# Allegro board buddy_lay_rev1.brd (continued)
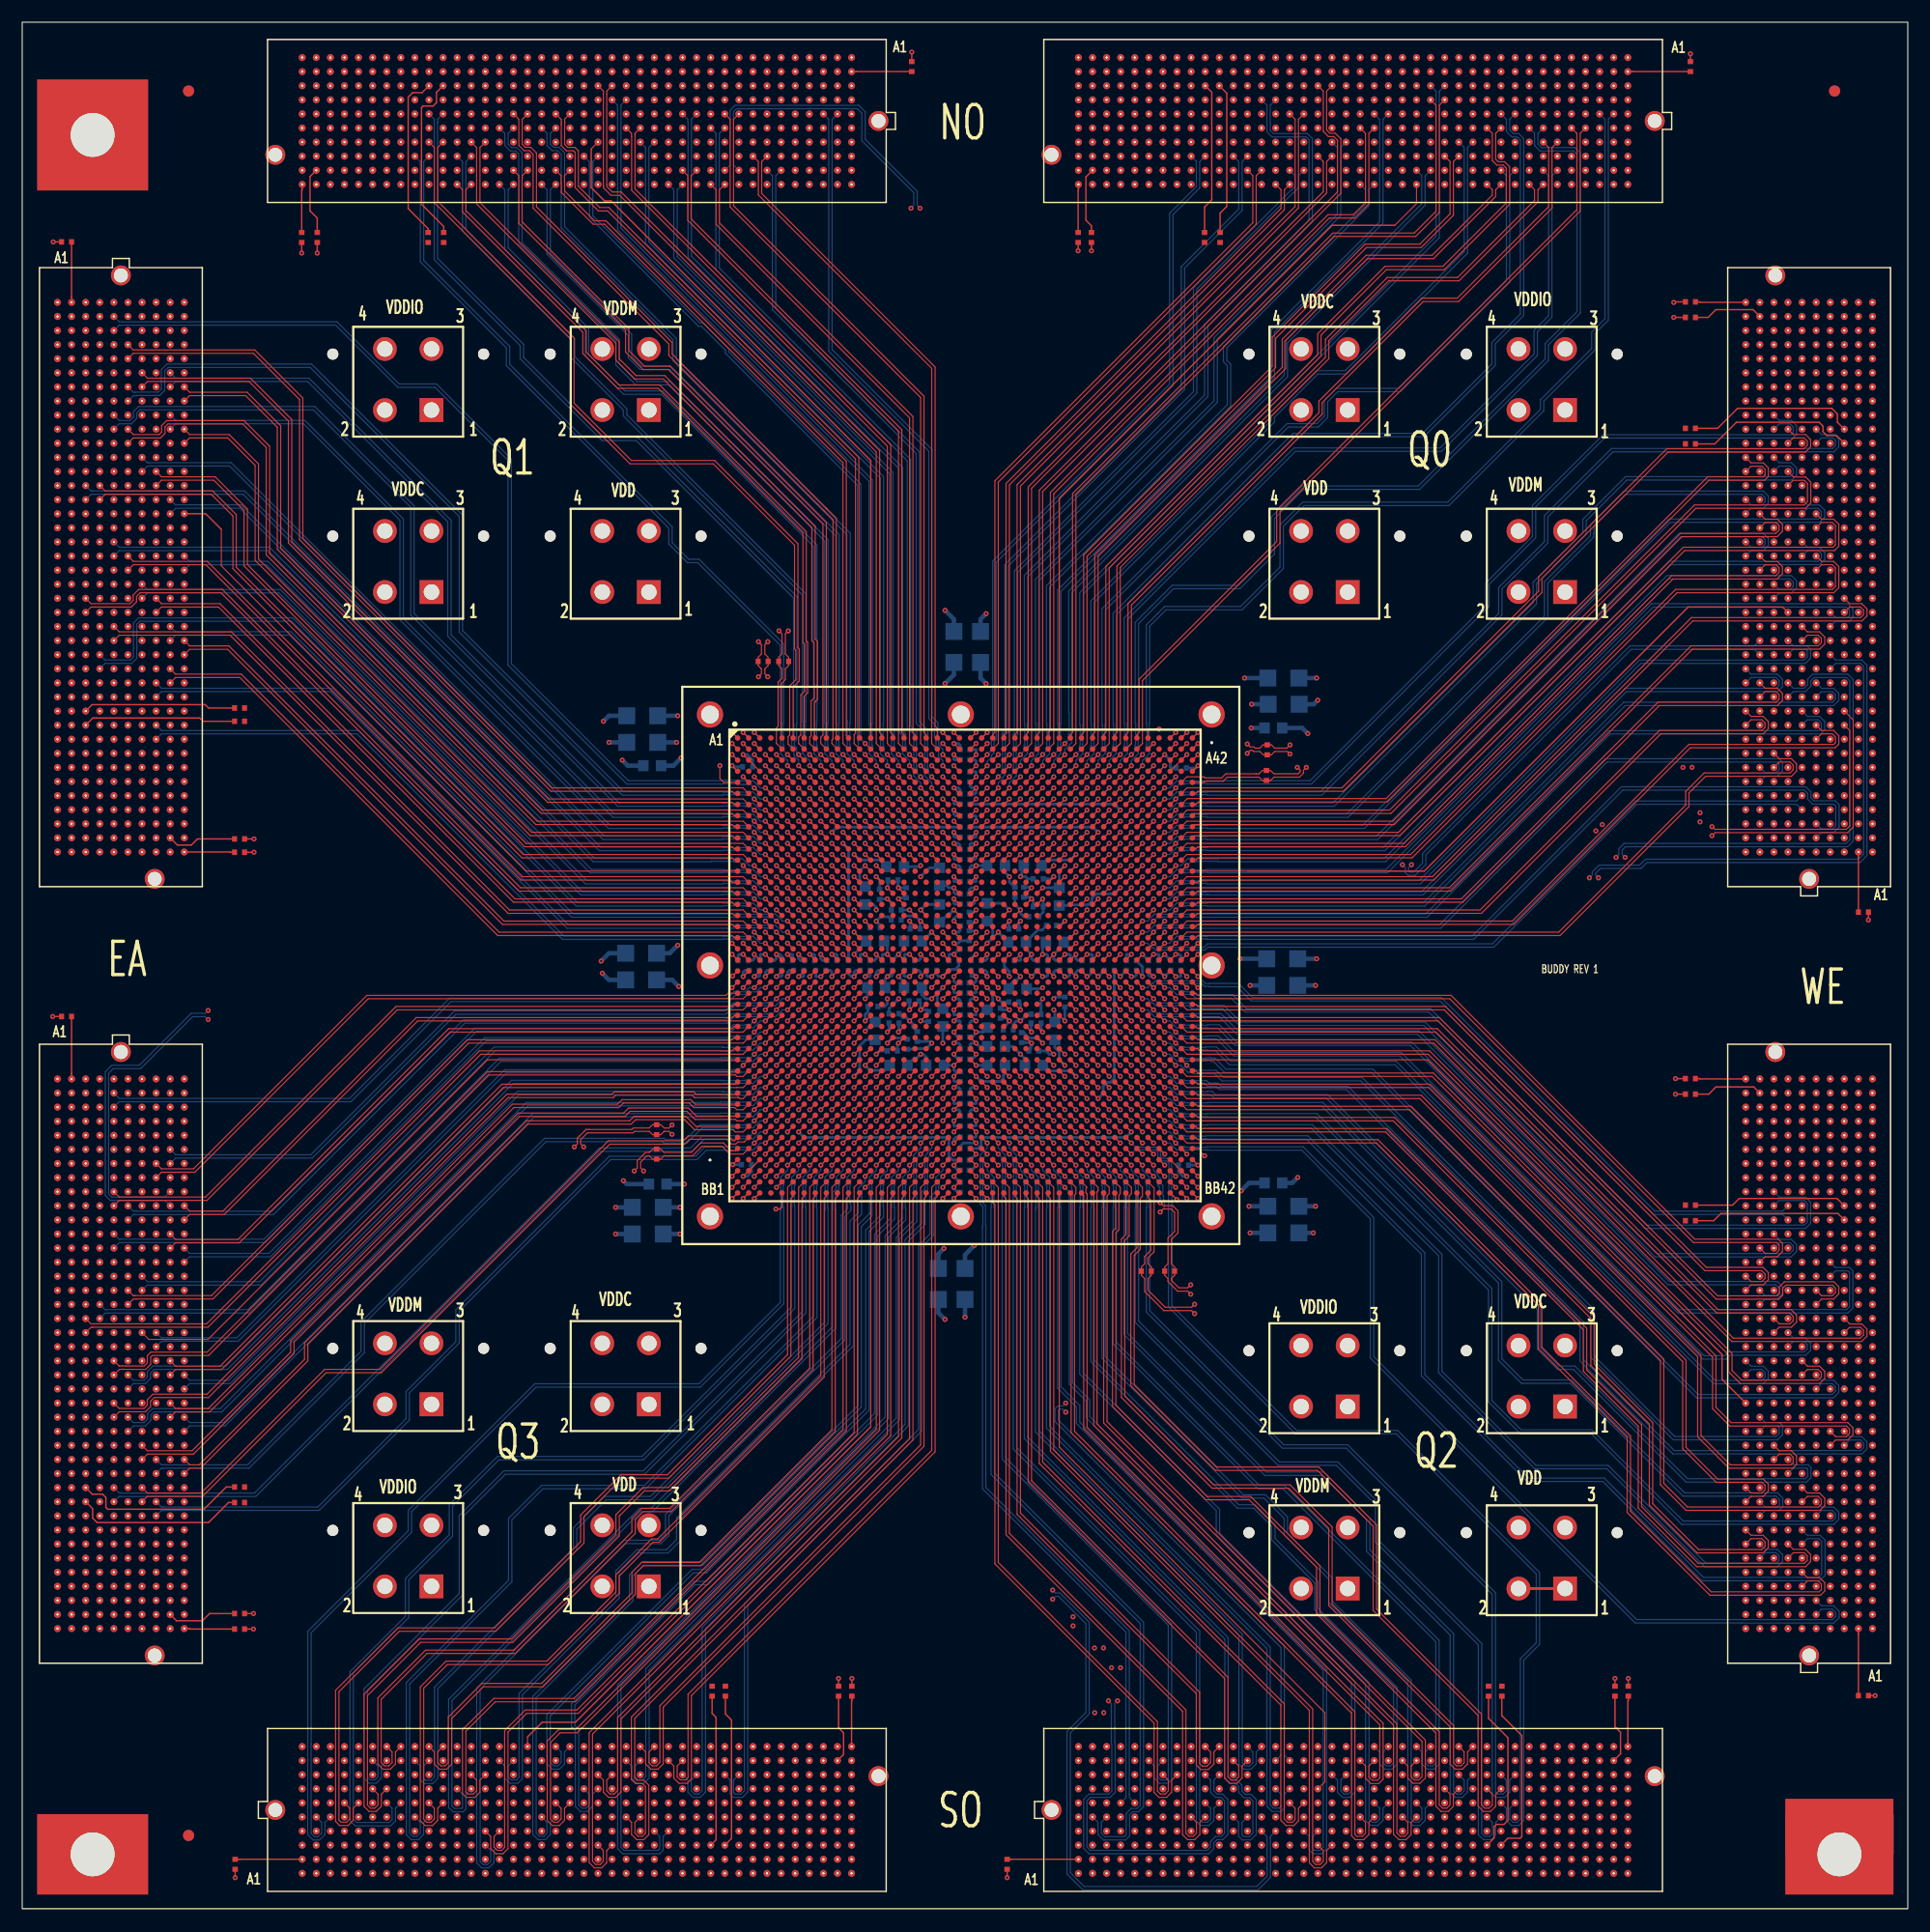
[diagram p0: board, top side]
## Routing (per net, layer and track width the routed paths; a pad name or vN(x,y) marks a point on that pad's centre or on a via; arc(x,y) is an arc through that point) (continued)
J2.G38 97.77,159.67 ; J4.J1 157.13,25.24 ; J4.J1 156.18,25.24 ; J4.J1 156.66,24.77 ; J4.J1 156.66,25.72 ; J1.F6 68.42,160.94 ; J1.F6 67.95,160.47 ; J1.F6 68.9,160.47 ; J1.F6 68.42,159.99 ; J3.C25 164.75,125.71 ; J3.C25 164.28,126.18 ; J3.C25 163.8,125.71 ; J3.C25 164.28,125.23 ; J4.A25 167.29,55.72 ; J4.A25 166.81,56.2 ; J4.A25 166.34,55.72 ; J4.A25 166.81,55.25 ; 67.15,3.98 67.15,4.46 ; 67.15,4.46 67.15,4.93 ; 67.15,4.46 66.68,4.46 ; 67.15,4.46 67.63,4.46 ; J1.D22 48.58,163 ; J1.D22 48.1,162.53 ; J1.D22 48.1,163.48 ; J1.D22 47.63,163 ; 140.95,7 140.95,7.47 ; 140.95,7 141.42,7 ; 140.95,7 140.47,7 ; 140.95,7 140.95,6.52 ; 5.25,34.13 J7.C33 ; J7.C33 5.72,33.66 ; J7.C33 5.72,34.61 ; J7.C33 6.2,34.13 ; J6.E26 57.47,8.27 ; J6.E26 56.99,8.74 ; J6.E26 56.99,7.79 ; J6.E26 56.52,8.27 ; J3.K33 155.38,136.34 ; J3.K33 155.38,135.39 ; J3.K33 155.86,135.87 ; J3.K33 154.91,135.87 ; J1.G8 65.88,159.67 ; J1.G8 65.41,159.19 ; J1.G8 66.36,159.19 ; J1.G8 65.88,158.72 ; 63.34,162.53 J1.D10 ; J1.D10 63.82,163 ; J1.D10 63.34,163.48 ; J1.D10 62.87,163 ; 31.12,161.74 31.59,161.74 ; 31.59,161.74 32.07,161.74 ; 31.59,161.74 31.59,161.26 ; 31.59,161.74 31.59,162.21 ; 94.75,161.74 95.23,161.74 ; 95.23,161.74 95.23,162.21 ; 95.23,161.74 95.7,161.74 ; 95.23,161.74 95.23,161.26 ; J2.A5 139.68,167.29 ; J2.A5 139.68,166.34 ; J2.A5 139.2,166.81 ; J2.A5 140.15,166.81 ; 43.82,166.81 J1.A25 ; J1.A25 44.29,167.29 ; J1.A25 44.29,166.34 ; J1.A25 44.77,166.81 ; 73.03,157.93 J1.H2 ; J1.H2 73.98,157.93 ; J1.H2 73.5,158.4 ; J1.H2 73.5,157.45 ; 62.07,161.74 62.07,162.21 ; 62.07,161.74 62.07,161.26 ; 62.07,161.74 61.6,161.74 ; 62.07,161.74 62.55,161.74 ; J8.E38 8.27,98.24 ; J8.E38 8.74,97.77 ; J8.E38 8.27,97.29 ; J8.E38 7.79,97.77 ; 3.19,60.8 3.19,61.28 ; 3.19,60.8 3.19,60.33 ; 3.19,60.8 3.66,60.8 ; 3.19,60.8 2.71,60.8 ; J2.A12 131.26,166.81 ; J2.A12 130.79,166.34 ; J2.A12 130.79,167.29 ; J2.A12 130.31,166.81 ; 115.55,154.91 J2.K24 ; J2.K24 116.02,155.38 ; J2.K24 115.07,155.38 ; J2.K24 115.55,155.86 ; 14.14,41.75 J7.K27 ; J7.K27 14.62,42.23 ; J7.K27 15.09,41.75 ; J7.K27 14.62,41.28 ; 6.52,125.71 J8.D16 ; J8.D16 7,126.18 ; J8.D16 7,125.23 ; J8.D16 7.47,125.71 ; 134.12,10.8 J5.G32 ; J5.G32 134.6,11.28 ; J5.G32 134.6,10.33 ; J5.G32 135.07,10.8 ; 72.23,12.87 J6.J38 ; J6.J38 72.71,13.35 ; J6.J38 71.76,13.35 ; J6.J38 72.23,13.82 ; J3.G17 159.67,115.55 ; J3.G17 159.19,116.02 ; J3.G17 158.72,115.55 ; J3.G17 159.19,115.07 ; J4.D28 163.48,59.53 ; J4.D28 162.53,59.53 ; J4.D28 163,60.01 ; J4.D28 163,59.06 ; 3.19,144.76 3.19,145.23 ; 3.19,144.76 2.71,144.76 ; 3.19,144.76 3.19,144.28 ; 3.19,144.76 3.66,144.76 ; J2.D6 138.88,163 ; J2.D6 137.93,163 ; J2.D6 138.41,163.48 ; J2.D6 138.41,162.53 ; 51.06,45.45 J18.2 ; J18.2 52.3,46.69 ; J18.2 53.54,45.45 ; J18.2 52.3,44.21 ; J1.A4 71.44,166.81 ; J1.A4 70.96,166.34 ; J1.A4 70.96,167.29 ; J1.A4 70.49,166.81 ; 70.49,159.19 J1.G4 ; J1.G4 70.96,159.67 ; J1.G4 71.44,159.19 ; J1.G4 70.96,158.72 ; J3.D39 163.48,143.49 ; J3.D39 163,143.01 ; J3.D39 163,143.96 ; J3.D39 162.53,143.49 ; 161.74,94.75 161.74,95.23 ; 161.74,95.23 161.26,95.23 ; 161.74,95.23 161.74,95.7 ; 161.74,95.23 162.21,95.23 ; 5.72,60.8 6.2,60.8 ; 5.72,60.8 5.72,60.33 ; 5.72,60.8 5.72,61.28 ; 5.72,60.8 5.25,60.8 ; 10.8,61.6 J7.G11 ; J7.G11 10.33,62.07 ; J7.G11 10.8,62.55 ; J7.G11 11.28,62.07 ; 59.53,162.53 J1.D13 ; J1.D13 59.53,163.48 ; J1.D13 60.01,163 ; J1.D13 59.06,163 ; 14.62,100.31 15.09,100.31 ; 14.62,100.31 14.14,100.31 ; 14.62,100.31 14.62,99.83 ; 14.62,100.31 14.62,100.78 ; J5.H21 121.1,12.07 ; J5.H21 120.63,11.6 ; J5.H21 120.15,12.07 ; J5.H21 120.63,12.55 ; 8.27,139.2 8.27,139.68 ; 8.27,139.68 7.79,139.68 ; 8.27,139.68 8.27,140.15 ; 8.27,139.68 8.74,139.68 ; 98.56,10.8 99.04,10.8 ; 99.04,10.8 99.51,10.8 ; 99.04,10.8 99.04,10.33 ; 99.04,10.8 99.04,11.28 ; 53.98,161.74 54.45,161.74 ; 54.45,161.74 54.45,162.21 ; 54.45,161.74 54.45,161.26 ; 54.45,161.74 54.93,161.74 ; 120.63,5.72 120.63,6.2 ; 120.63,5.72 121.1,5.72 ; 120.63,5.72 120.15,5.72 ; 120.63,5.72 120.63,5.25 ; 9.54,137.93 J8.F6 ; J8.F6 10.01,138.41 ; J8.F6 9.54,138.88 ; J8.F6 9.06,138.41 ; J6.J29 60.8,13.82 ; J6.J29 61.28,13.35 ; J6.J29 60.8,12.87 ; J6.J29 60.33,13.35 ; 100.31,157.45 J2.H36 ; J2.H36 100.31,158.4 ; J2.H36 99.83,157.93 ; J2.H36 100.78,157.93 ; 96.5,154.91 J2.K39 ; J2.K39 96.5,155.86 ; J2.K39 96.02,155.38 ; J2.K39 96.97,155.38 ; J6.B11 37.94,4.93 ; J6.B11 37.47,4.46 ; J6.B11 37.94,3.98 ; J6.B11 38.42,4.46 ; 64.61,2.71 J6.A32 ; J6.A32 64.14,3.19 ; J6.A32 64.61,3.66 ; J6.A32 65.09,3.19 ; 13.35,31.12 J7.J35 ; J7.J35 13.35,32.07 ; J7.J35 12.87,31.59 ; J7.J35 13.82,31.59 ; 95.23,5.72 95.7,5.72 ; 95.23,5.72 95.23,6.2 ; 95.23,5.72 95.23,5.25 ; 95.23,5.72 94.75,5.72 ; 30.32,157.45 J1.H36 ; J1.H36 29.85,157.93 ; J1.H36 30.8,157.93 ; J1.H36 30.32,158.4 ; J2.D16 126.18,163 ; J2.D16 125.23,163 ; J2.D16 125.71,162.53 ; J2.D16 125.71,163.48 ; 156.18,72.23 J4.J38 ; J4.J38 156.66,72.71 ; J4.J38 156.66,71.76 ; J4.J38 157.13,72.23 ; J4.B22 165.54,52.39 ; J4.B22 166.02,51.91 ; J4.B22 165.07,51.91 ; J4.B22 165.54,51.44 ; J3.C29 164.28,131.26 ; J3.C29 164.28,130.31 ; J3.C29 164.75,130.79 ; J3.C29 163.8,130.79 ; J8.D28 7.47,110.47 ; J8.D28 7,109.99 ; J8.D28 6.52,110.47 ; J8.D28 7,110.94 ; 62.07,11.6 J6.H30 ; J6.H30 61.6,12.07 ; J6.H30 62.55,12.07 ; J6.H30 62.07,12.55 ; J5.D2 96.97,7 ; J5.D2 96.5,6.52 ; J5.D2 96.5,7.47 ; J5.D2 96.02,7 ; 3.19,109.2 3.66,109.2 ; 3.19,109.2 2.71,109.2 ; 3.19,109.2 3.19,109.67 ; 3.19,109.2 3.19,108.72 ; J7.G38 10.8,28.26 ; J7.G38 10.8,27.31 ; J7.G38 11.28,27.78 ; J7.G38 10.33,27.78 ; 49.37,10.33 J6.G20 ; J6.G20 49.85,10.8 ; J6.G20 48.9,10.8 ; J6.G20 49.37,11.28 ; 35.4,14.14 J6.K9 ; J6.K9 34.93,14.62 ; J6.K9 35.88,14.62 ; J6.K9 35.4,15.09 ; J8.A33 3.19,104.59 ; J8.A33 3.19,103.64 ; J8.A33 3.66,104.12 ; J8.A33 2.71,104.12 ; 95.23,10.33 95.23,10.8 ; 95.23,10.8 95.23,11.28 ; 95.23,10.8 95.7,10.8 ; 95.23,10.8 94.75,10.8 ; 4.46,102.85 4.93,102.85 ; 4.46,102.85 3.98,102.85 ; 4.46,102.85 4.46,103.32 ; 4.46,102.85 4.46,102.37 ; J5.E29 131.26,8.27 ; J5.E29 130.31,8.27 ; J5.E29 130.79,7.79 ; J5.E29 130.79,8.74 ; 128.25,161.26 128.25,161.74 ; 128.25,161.74 128.25,162.21 ; 128.25,161.74 128.72,161.74 ; 128.25,161.74 127.77,161.74 ; 5.72,125.71 5.72,126.18 ; 5.72,125.71 5.72,125.23 ; 5.72,125.71 5.25,125.71 ; 5.72,125.71 6.2,125.71 ; J7.E17 8.74,54.45 ; J7.E17 7.79,54.45 ; J7.E17 8.27,53.98 ; J7.E17 8.27,54.93 ; 3.19,140.95 3.19,141.42 ; 3.19,140.95 3.19,140.47 ; 3.19,140.95 2.71,140.95 ; 3.19,140.95 3.66,140.95 ; 3.98,118.09 J8.B22 ; J8.B22 4.46,118.56 ; J8.B22 4.93,118.09 ; J8.B22 4.46,117.61 ; 69.69,156.18 J1.J5 ; J1.J5 69.69,157.13 ; J1.J5 69.22,156.66 ; J1.J5 70.17,156.66 ; 48.1,165.07 J1.B22 ; J1.B22 47.63,165.54 ; J1.B22 48.1,166.02 ; J1.B22 48.58,165.54 ; J2.F3 142.69,160.47 ; J2.F3 142.22,159.99 ; J2.F3 141.74,160.47 ; J2.F3 142.22,160.94 ; 3.98,137.14 J8.B7 ; J8.B7 4.93,137.14 ; J8.B7 4.46,136.66 ; J8.B7 4.46,137.61 ; 40.48,3.19 40.96,3.19 ; 40.48,3.19 40.01,3.19 ; 40.48,3.19 40.48,3.66 ; 40.48,3.19 40.48,2.71 ; 31.12,159.19 J1.G35 ; J1.G35 31.59,159.67 ; J1.G35 32.07,159.19 ; J1.G35 31.59,158.72 ; J2.C21 119.83,164.28 ; J2.C21 119.36,163.8 ; J2.C21 119.36,164.75 ; J2.C21 118.88,164.28 ; J8.D6 7.47,138.41 ; J8.D6 7,137.93 ; J8.D6 6.52,138.41 ; J8.D6 7,138.88 ; 12.07,107.45 J8.H30 ; J8.H30 12.07,108.4 ; J8.H30 11.6,107.93 ; J8.H30 12.55,107.93 ; 162.53,36.67 J4.D10 ; J4.D10 163.48,36.67 ; J4.D10 163,36.2 ; J4.D10 163,37.15 ; 95.23,13.35 95.7,13.35 ; 95.23,13.35 95.23,13.82 ; 95.23,13.35 94.75,13.35 ; 95.23,13.35 95.23,12.87 ; 5.72,50.64 6.2,50.64 ; 5.72,50.64 5.25,50.64 ; 5.72,50.64 5.72,50.17 ; 5.72,50.64 5.72,51.12 ; J3.C20 164.75,119.36 ; J3.C20 164.28,118.88 ; J3.C20 164.28,119.83 ; J3.C20 163.8,119.36 ; J6.D10 37.15,7 ; J6.D10 36.67,7.47 ; J6.D10 36.67,6.52 ; J6.D10 36.2,7 ; J4.H6 158.4,31.59 ; J4.H6 157.93,32.07 ; J4.H6 157.45,31.59 ; J4.H6 157.93,31.12 ; J1.B2 73.5,166.02 ; J1.B2 73.98,165.54 ; J1.B2 73.5,165.07 ; J1.B2 73.03,165.54 ; 166.34,104.12 J3.A8 ; J3.A8 166.81,103.64 ; J3.A8 166.81,104.59 ; J3.A8 167.29,104.12 ; J4.J8 157.13,34.13 ; J4.J8 156.18,34.13 ; J4.J8 156.66,34.61 ; J4.J8 156.66,33.66 ; 134.6,154.91 J2.K9 ; J2.K9 134.12,155.38 ; J2.K9 135.07,155.38 ; J2.K9 134.6,155.86 ; 96.02,9.54 J5.F2 ; J5.F2 96.5,9.06 ; J5.F2 96.97,9.54 ; J5.F2 96.5,10.01 ; J3.C33 164.28,136.34 ; J3.C33 163.8,135.87 ; J3.C33 164.75,135.87 ; J3.C33 164.28,135.39 ; 3.19,99.83 J8.A36 ; J8.A36 3.19,100.78 ; J8.A36 2.71,100.31 ; J8.A36 3.66,100.31 ; 165.54,131.58 J3.B30 ; J3.B30 165.07,132.06 ; J3.B30 165.54,132.53 ; J3.B30 166.02,132.06 ; J8.G35 10.8,102.05 ; J8.G35 10.33,101.58 ; J8.G35 10.8,101.1 ; J8.G35 11.28,101.58 ; 101.58,161.26 101.58,161.74 ; 101.58,161.74 101.58,162.21 ; 101.58,161.74 101.1,161.74 ; 101.58,161.74 102.05,161.74 ; 165.54,122.69 J3.B23 ; J3.B23 165.07,123.17 ; J3.B23 165.54,123.64 ; J3.B23 166.02,123.17 ; 143.01,155.38 J2.K2 ; J2.K2 143.49,154.91 ; J2.K2 143.96,155.38 ; J2.K2 143.49,155.86 ; J2.B27 112.21,165.54 ; J2.B27 111.74,166.02 ; J2.B27 111.74,165.07 ; J2.B27 111.26,165.54 ; 104.12,5.72 104.12,6.2 ; 104.12,5.72 103.64,5.72 ; 104.12,5.72 104.59,5.72 ; 104.12,5.72 104.12,5.25 ; 159.99,43.02 J4.F15 ; J4.F15 160.47,42.55 ; J4.F15 160.47,43.5 ; J4.F15 160.94,43.02 ; J2.K3 142.69,155.38 ; J2.K3 142.22,154.91 ; J2.K3 141.74,155.38 ; J2.K3 142.22,155.86 ; 12.87,74.77 13.35,74.77 ; 13.35,74.77 13.82,74.77 ; 13.35,74.77 13.35,74.3 ; 13.35,74.77 13.35,75.25 ; 26.51,6.52 J6.D2 ; J6.D2 26.99,7 ; J6.D2 26.04,7 ; J6.D2 26.51,7.47 ; 74.77,161.74 74.77,162.21 ; 74.77,161.74 75.25,161.74 ; 74.77,161.74 74.77,161.26 ; 74.77,161.74 74.3,161.74 ; 29.05,7.79 29.05,8.27 ; 29.05,8.27 29.53,8.27 ; 29.05,8.27 28.58,8.27 ; 29.05,8.27 29.05,8.74 ; J3.H18 158.4,116.82 ; J3.H18 157.93,117.29 ; J3.H18 157.45,116.82 ; J3.H18 157.93,116.34 ; J4.G29 159.67,60.8 ; J4.G29 159.19,61.28 ; J4.G29 159.19,60.33 ; J4.G29 158.72,60.8 ; J2.A28 110.47,167.29 ; J2.A28 109.99,166.81 ; J2.A28 110.94,166.81 ; J2.A28 110.47,166.34 ; 29.05,3.19 29.53,3.19 ; 29.05,3.19 29.05,2.71 ; 29.05,3.19 29.05,3.66 ; 29.05,3.19 28.58,3.19 ; 7.79,109.2 J8.E29 ; J8.E29 8.27,108.72 ; J8.E29 8.74,109.2 ; J8.E29 8.27,109.67 ; 36.9,133.81 J9.1 ; J9.1 36.9,136.29 ; J9.1 35.66,135.05 ; J9.1 38.14,135.05 ; 5.25,110.47 5.72,110.47 ; 5.72,110.47 5.72,110.94 ; 5.72,110.47 5.72,109.99 ; 5.72,110.47 6.2,110.47 ; 44.29,3.19 44.29,3.66 ; 44.29,3.19 43.82,3.19 ; 44.29,3.19 44.29,2.71 ; 44.29,3.19 44.77,3.19 ; 14.62,96.02 14.62,96.5 ; 14.62,96.5 14.62,96.97 ; 14.62,96.5 15.09,96.5 ; 14.62,96.5 14.14,96.5 ; 61.6,14.62 62.07,14.62 ; 62.07,14.62 62.07,14.14 ; 62.07,14.62 62.07,15.09 ; 62.07,14.62 62.55,14.62 ; 7,73.03 J7.D2 ; J7.D2 7.47,73.5 ; J7.D2 6.52,73.5 ; J7.D2 7,73.98 ; 143.49,4.46 143.49,4.93 ; 143.49,4.46 143.49,3.98 ; 143.49,4.46 143.01,4.46 ; 143.49,4.46 143.96,4.46 ; J6.E32 64.61,8.74 ; J6.E32 64.61,7.79 ; J6.E32 64.14,8.27 ; J6.E32 65.09,8.27 ; 100.31,12.87 100.31,13.35 ; 100.31,13.35 99.83,13.35 ; 100.31,13.35 100.78,13.35 ; 100.31,13.35 100.31,13.82 ; J4.A20 166.81,49.85 ; J4.A20 166.34,49.37 ; J4.A20 167.29,49.37 ; J4.A20 166.81,48.9 ; J22.1 140.34,45.25 ; J22.1 139.1,46.49 ; J22.1 139.1,44.01 ; J22.1 137.86,45.25 ; 69.69,2.71 J6.A36 ; J6.A36 69.22,3.19 ; J6.A36 70.17,3.19 ; J6.A36 69.69,3.66 ; 72.23,7.79 J6.E38 ; J6.E38 71.76,8.27 ; J6.E38 72.71,8.27 ; J6.E38 72.23,8.74 ; 161.26,74.77 161.74,74.77 ; 161.74,74.77 161.74,74.3 ; 161.74,74.77 161.74,75.25 ; 161.74,74.77 162.21,74.77 ; 10.8,31.12 J7.G35 ; J7.G35 10.8,32.07 ; J7.G35 10.33,31.59 ; J7.G35 11.28,31.59 ; 55.26,29.05 J20.1 ; J20.1 57.74,29.05 ; J20.1 56.5,30.29 ; J20.1 56.5,27.81 ; J2.C13 129.52,164.75 ; J2.C13 129.52,163.8 ; J2.C13 129.99,164.28 ; J2.C13 129.04,164.28 ; 161.26,99.04 161.74,99.04 ; 161.74,99.04 162.21,99.04 ; 161.74,99.04 161.74,98.56 ; 161.74,99.04 161.74,99.51 ; J2.B30 108.4,165.54 ; J2.B30 107.93,165.07 ; J2.B30 107.93,166.02 ; J2.B30 107.45,165.54 ; 162.53,44.29 J4.D16 ; J4.D16 163,43.82 ; J4.D16 163.48,44.29 ; J4.D16 163,44.77 ; 54.45,14.14 J6.K24 ; J6.K24 54.45,15.09 ; J6.K24 54.93,14.62 ; J6.K24 53.98,14.62 ; J8.B18 4.46,123.64 ; J8.B18 4.93,123.17 ; J8.B18 3.98,123.17 ; J8.B18 4.46,122.69 ; J2.D28 110.94,163 ; J2.D28 109.99,163 ; J2.D28 110.47,163.48 ; J2.D28 110.47,162.53 ; 157.45,101.58 J3.H6 ; J3.H6 158.4,101.58 ; J3.H6 157.93,102.05 ; J3.H6 157.93,101.1 ; J1.K33 34.13,155.86 ; J1.K33 34.61,155.38 ; J1.K33 34.13,154.91 ; J1.K33 33.66,155.38 ; J6.A37 71.44,3.19 ; J6.A37 70.96,2.71 ; J6.A37 70.96,3.66 ; J6.A37 70.49,3.19 ; J2.F6 138.88,160.47 ; J2.F6 138.41,160.94 ; J2.F6 138.41,159.99 ; J2.F6 137.93,160.47 ; 125.71,163.8 J2.C16 ; J2.C16 126.18,164.28 ; J2.C16 125.23,164.28 ; J2.C16 125.71,164.75 ; J3.B3 166.02,97.77 ; J3.B3 165.54,98.24 ; J3.B3 165.07,97.77 ; J3.B3 165.54,97.29 ; J4.D39 163.48,73.5 ; J4.D39 162.53,73.5 ; J4.D39 163,73.03 ; J4.D39 163,73.98 ; 124.44,163.8 J2.C17 ; J2.C17 124.44,164.75 ; J2.C17 123.96,164.28 ; J2.C17 124.91,164.28 ; J4.J17 157.13,45.56 ; J4.J17 156.66,45.09 ; J4.J17 156.66,46.04 ; J4.J17 156.18,45.56 ; J1.C12 60.8,164.75 ; J1.C12 60.33,164.28 ; J1.C12 60.8,163.8 ; J1.C12 61.28,164.28 ; J1.A13 60.01,166.81 ; J1.A13 59.53,166.34 ; J1.A13 59.06,166.81 ; J1.A13 59.53,167.29 ; 5.72,54.45 6.2,54.45 ; 5.72,54.45 5.25,54.45 ; 5.72,54.45 5.72,53.98 ; 5.72,54.45 5.72,54.93 ; 4.46,46.36 J7.B23 ; J7.B23 4.93,46.83 ; J7.B23 4.46,47.31 ; J7.B23 3.98,46.83 ; J5.J29 131.26,13.35 ; J5.J29 130.79,13.82 ; J5.J29 130.31,13.35 ; J5.J29 130.79,12.87 ; J4.C33 164.75,65.88 ; J4.C33 163.8,65.88 ; J4.C33 164.28,66.36 ; J4.C33 164.28,65.41 ; 9.54,64.14 J7.F9 ; J7.F9 9.54,65.09 ; J7.F9 9.06,64.61 ; J7.F9 10.01,64.61 ; 55.72,163.8 J1.C16 ; J1.C16 55.25,164.28 ; J1.C16 56.2,164.28 ; J1.C16 55.72,164.75 ; 3.98,67.15 J7.B7 ; J7.B7 4.46,66.68 ; J7.B7 4.93,67.15 ; J7.B7 4.46,67.63 ; 14.14,123.17 J8.K18 ; J8.K18 14.62,122.69 ; J8.K18 15.09,123.17 ; J8.K18 14.62,123.64 ; J4.C28 164.28,60.01 ; J4.C28 163.8,59.53 ; J4.C28 164.75,59.53 ; J4.C28 164.28,59.06 ; 136.66,163 J2.D7 ; J2.D7 137.61,163 ; J2.D7 137.14,163.48 ; J2.D7 137.14,162.53 ; 72.23,159.99 J1.F3 ; J1.F3 72.23,160.94 ; J1.F3 72.71,160.47 ; J1.F3 71.76,160.47 ; J8.H9 12.07,135.07 ; J8.H9 12.55,134.6 ; J8.H9 11.6,134.6 ; J8.H9 12.07,134.12 ; 130.79,10.33 J5.G29 ; J5.G29 130.31,10.8 ; J5.G29 131.26,10.8 ; J5.G29 130.79,11.28 ; J4.C5 164.28,30.8 ; J4.C5 164.75,30.32 ; J4.C5 163.8,30.32 ; J4.C5 164.28,29.85 ; 13.35,104.91 J8.J32 ; J8.J32 12.87,105.39 ; J8.J32 13.35,105.86 ; J8.J32 13.82,105.39 ; J2.H18 123.17,158.4 ; J2.H18 123.64,157.93 ; J2.H18 123.17,157.45 ; J2.H18 122.69,157.93 ; 3.19,34.93 J7.A32 ; J7.A32 3.66,35.4 ; J7.A32 3.19,35.88 ; J7.A32 2.71,35.4 ; J4.D25 163,56.2 ; J4.D25 163,55.25 ; J4.D25 163.48,55.72 ; J4.D25 162.53,55.72 ; J6.H21 50.64,12.55 ; J6.H21 50.17,12.07 ; J6.H21 51.12,12.07 ; J6.H21 50.64,11.6 ; 128.25,4.46 128.25,4.93 ; 128.25,4.46 128.25,3.98 ; 128.25,4.46 128.72,4.46 ; 128.25,4.46 127.77,4.46 ; 65.41,161.74 65.88,161.74 ; 65.88,161.74 65.88,162.21 ; 65.88,161.74 66.36,161.74 ; 65.88,161.74 65.88,161.26 ; 134.6,12.87 J5.J32 ; J5.J32 134.12,13.35 ; J5.J32 134.6,13.82 ; J5.J32 135.07,13.35 ; J4.F24 160.94,54.45 ; J4.F24 160.47,53.98 ; J4.F24 159.99,54.45 ; J4.F24 160.47,54.93 ; 2.71,25.24 J7.A40 ; J7.A40 3.19,25.72 ; J7.A40 3.66,25.24 ; J7.A40 3.19,24.77 ; 34.93,3.19 35.4,3.19 ; 35.4,3.19 35.4,2.71 ; 35.4,3.19 35.88,3.19 ; 35.4,3.19 35.4,3.66 ; 156.18,115.55 J3.J17 ; J3.J17 156.66,116.02 ; J3.J17 156.66,115.07 ; J3.J17 157.13,115.55 ; 156.66,37.47 J4.J11 ; J4.J11 156.18,37.94 ; J4.J11 157.13,37.94 ; J4.J11 156.66,38.42 ; 163.8,29.05 J4.C4 ; J4.C4 164.28,28.58 ; J4.C4 164.75,29.05 ; J4.C4 164.28,29.53 ; 104.12,2.71 104.12,3.19 ; 104.12,3.19 103.64,3.19 ; 104.12,3.19 104.12,3.66 ; 104.12,3.19 104.59,3.19 ; J4.K15 155.86,43.02 ; J4.K15 154.91,43.02 ; J4.K15 155.38,43.5 ; J4.K15 155.38,42.55 ; 129.52,2.71 J5.A28 ; J5.A28 129.99,3.19 ; J5.A28 129.52,3.66 ; J5.A28 129.04,3.19 ; J1.J35 32.07,156.66 ; J1.J35 31.59,157.13 ; J1.J35 31.12,156.66 ; J1.J35 31.59,156.18 ; J3.G1 159.19,95.7 ; J3.G1 159.19,94.75 ; J3.G1 159.67,95.23 ; J3.G1 158.72,95.23 ; 132.85,4.46 133.33,4.46 ; 133.33,4.46 133.33,4.93 ; 133.33,4.46 133.33,3.98 ; 133.33,4.46 133.8,4.46 ; 73.03,7 73.5,7 ; 73.5,7 73.5,7.47 ; 73.5,7 73.5,6.52 ; 73.5,7 73.98,7 ; J4.D13 163.48,40.48 ; J4.D13 162.53,40.48 ; J4.D13 163,40.96 ; J4.D13 163,40.01 ; 5.72,109.2 6.2,109.2 ; 5.72,109.2 5.72,108.72 ; 5.72,109.2 5.25,109.2 ; 5.72,109.2 5.72,109.67 ; 118.26,135.05 J13.1 ; J13.1 120.74,135.05 ; J13.1 119.5,133.81 ; J13.1 119.5,136.29 ; J7.J23 13.82,46.83 ; J7.J23 12.87,46.83 ; J7.J23 13.35,47.31 ; J7.J23 13.35,46.36 ; 157.93,108.72 J3.H12 ; J3.H12 158.4,109.2 ; J3.H12 157.45,109.2 ; J3.H12 157.93,109.67 ; J1.K3 72.71,155.38 ; J1.K3 72.23,155.86 ; J1.K3 72.23,154.91 ; J1.K3 71.76,155.38 ; 3.19,33.66 J7.A33 ; J7.A33 3.66,34.13 ; J7.A33 3.19,34.61 ; J7.A33 2.71,34.13 ; J3.H15 157.93,113.48 ; J3.H15 157.93,112.53 ; J3.H15 157.45,113.01 ; J3.H15 158.4,113.01 ; J8.H2 12.07,143.96 ; J8.H2 12.55,143.49 ; J8.H2 11.6,143.49 ; J8.H2 12.07,143.01 ; 65.41,3.19 J6.A33 ; J6.A33 65.88,3.66 ; J6.A33 66.36,3.19 ; J6.A33 65.88,2.71 ; 155.38,73.03 J4.K39 ; J4.K39 155.86,73.5 ; J4.K39 154.91,73.5 ; J4.K39 155.38,73.98 ; J4.D19 163,48.58 ; J4.D19 163.48,48.1 ; J4.D19 163,47.63 ; J4.D19 162.53,48.1 ; J5.J35 138.41,13.82 ; J5.J35 138.88,13.35 ; J5.J35 138.41,12.87 ; J5.J35 137.93,13.35 ; J7.K12 15.09,60.8 ; J7.K12 14.62,60.33 ; J7.K12 14.62,61.28 ; J7.K12 14.14,60.8 ; 159.99,26.51 J4.F2 ; J4.F2 160.47,26.04 ; J4.F2 160.47,26.99 ; J4.F2 160.94,26.51 ; J3.K18 155.38,117.29 ; J3.K18 155.86,116.82 ; J3.K18 155.38,116.34 ; J3.K18 154.91,116.82 ; 166.81,123.96 J3.A24 ; J3.A24 166.34,124.44 ; J3.A24 167.29,124.44 ; J3.A24 166.81,124.91 ; J4.A40 167.29,74.77 ; J4.A40 166.34,74.77 ; J4.A40 166.81,75.25 ; J4.A40 166.81,74.3 ; 9.54,100.31 9.54,100.78 ; 9.54,100.31 9.54,99.83 ; 9.54,100.31 9.06,100.31 ; 9.54,100.31 10.01,100.31 ; 52.71,13.35 J6.J23 ; J6.J23 53.66,13.35 ; J6.J23 53.18,13.82 ; J6.J23 53.18,12.87 ; J7.B10 4.46,63.82 ; J7.B10 4.46,62.87 ; J7.B10 4.93,63.34 ; J7.B10 3.98,63.34 ; 3.98,132.06 J8.B11 ; J8.B11 4.46,132.53 ; J8.B11 4.46,131.58 ; J8.B11 4.93,132.06 ; 166.34,95.23 J3.A1 ; J3.A1 166.81,95.7 ; J3.A1 167.29,95.23 ; J3.A1 166.81,94.75 ; 161.74,41.75 161.74,42.23 ; 161.74,41.75 162.21,41.75 ; 161.74,41.75 161.26,41.75 ; 161.74,41.75 161.74,41.28 ; J6.A40 74.77,3.66 ; J6.A40 74.77,2.71 ; J6.A40 75.25,3.19 ; J6.A40 74.3,3.19 ; J3.A28 167.29,129.52 ; J3.A28 166.81,129.04 ; J3.A28 166.81,129.99 ; J3.A28 166.34,129.52 ; 51.91,6.52 J6.D22 ; J6.D22 51.44,7 ; J6.D22 51.91,7.47 ; J6.D22 52.39,7 ; J6.G38 72.23,11.28 ; J6.G38 71.76,10.8 ; J6.G38 72.23,10.33 ; J6.G38 72.71,10.8 ; J6.G32 64.61,11.28 ; J6.G32 64.14,10.8 ; J6.G32 65.09,10.8 ; J6.G32 64.61,10.33 ; J3.A25 167.29,125.71 ; J3.A25 166.81,125.23 ; J3.A25 166.34,125.71 ; J3.A25 166.81,126.18 ; J6.D6 32.07,7 ; J6.D6 31.12,7 ; J6.D6 31.59,6.52 ; J6.D6 31.59,7.47 ; J2.D3 142.69,163 ; J2.D3 142.22,163.48 ; J2.D3 142.22,162.53 ; J2.D3 141.74,163 ; J3.J26 157.13,126.98 ; J3.J26 156.66,126.5 ; J3.J26 156.18,126.98 ; J3.J26 156.66,127.45 ; 131.58,4.46 132.06,4.46 ; 132.06,4.46 132.06,3.98 ; 132.06,4.46 132.53,4.46 ; 132.06,4.46 132.06,4.93 ; J6.K3 27.78,15.09 ; J6.K3 27.31,14.62 ; J6.K3 27.78,14.14 ; J6.K3 28.26,14.62 ; 161.26,134.6 161.74,134.6 ; 161.74,134.6 162.21,134.6 ; 161.74,134.6 161.74,134.12 ; 161.74,134.6 161.74,135.07 ; 30.32,8.27 30.32,8.74 ; 30.32,8.27 29.85,8.27 ; 30.32,8.27 30.8,8.27 ; 30.32,8.27 30.32,7.79 ; J1.C4 70.96,164.75 ; J1.C4 70.49,164.28 ; J1.C4 70.96,163.8 ; J1.C4 71.44,164.28 ; 41.28,160.47 J1.F27 ; J1.F27 41.75,160.94 ; J1.F27 41.75,159.99 ; J1.F27 42.23,160.47 ; 51.06,29.05 J20.2 ; J20.2 53.54,29.05 ; J20.2 52.3,27.81 ; J20.2 52.3,30.29 ; 50.64,158.72 J1.G20 ; J1.G20 51.12,159.19 ; J1.G20 50.17,159.19 ; J1.G20 50.64,159.67 ; 14.62,33.66 14.62,34.13 ; 14.62,34.13 14.62,34.61 ; 14.62,34.13 14.14,34.13 ; 14.62,34.13 15.09,34.13 ; J1.C20 50.64,164.75 ; J1.C20 50.17,164.28 ; J1.C20 51.12,164.28 ; J1.C20 50.64,163.8 ; 48.1,6.52 J6.D19 ; J6.D19 48.58,7 ; J6.D19 47.63,7 ; J6.D19 48.1,7.47 ; 9.06,60.8 J7.F12 